# Altium PCB top.PcbDoc (part 1 of 5)
Units mil, origin at the board's own origin, x right, y up, seen from the top; angles counter-clockwise.
Board outline 12029.02 x 5828 mil, 2 copper layers (Top Layer, Bottom Layer); 703 components, 430 nets, 1840 pads, 2249 vias.
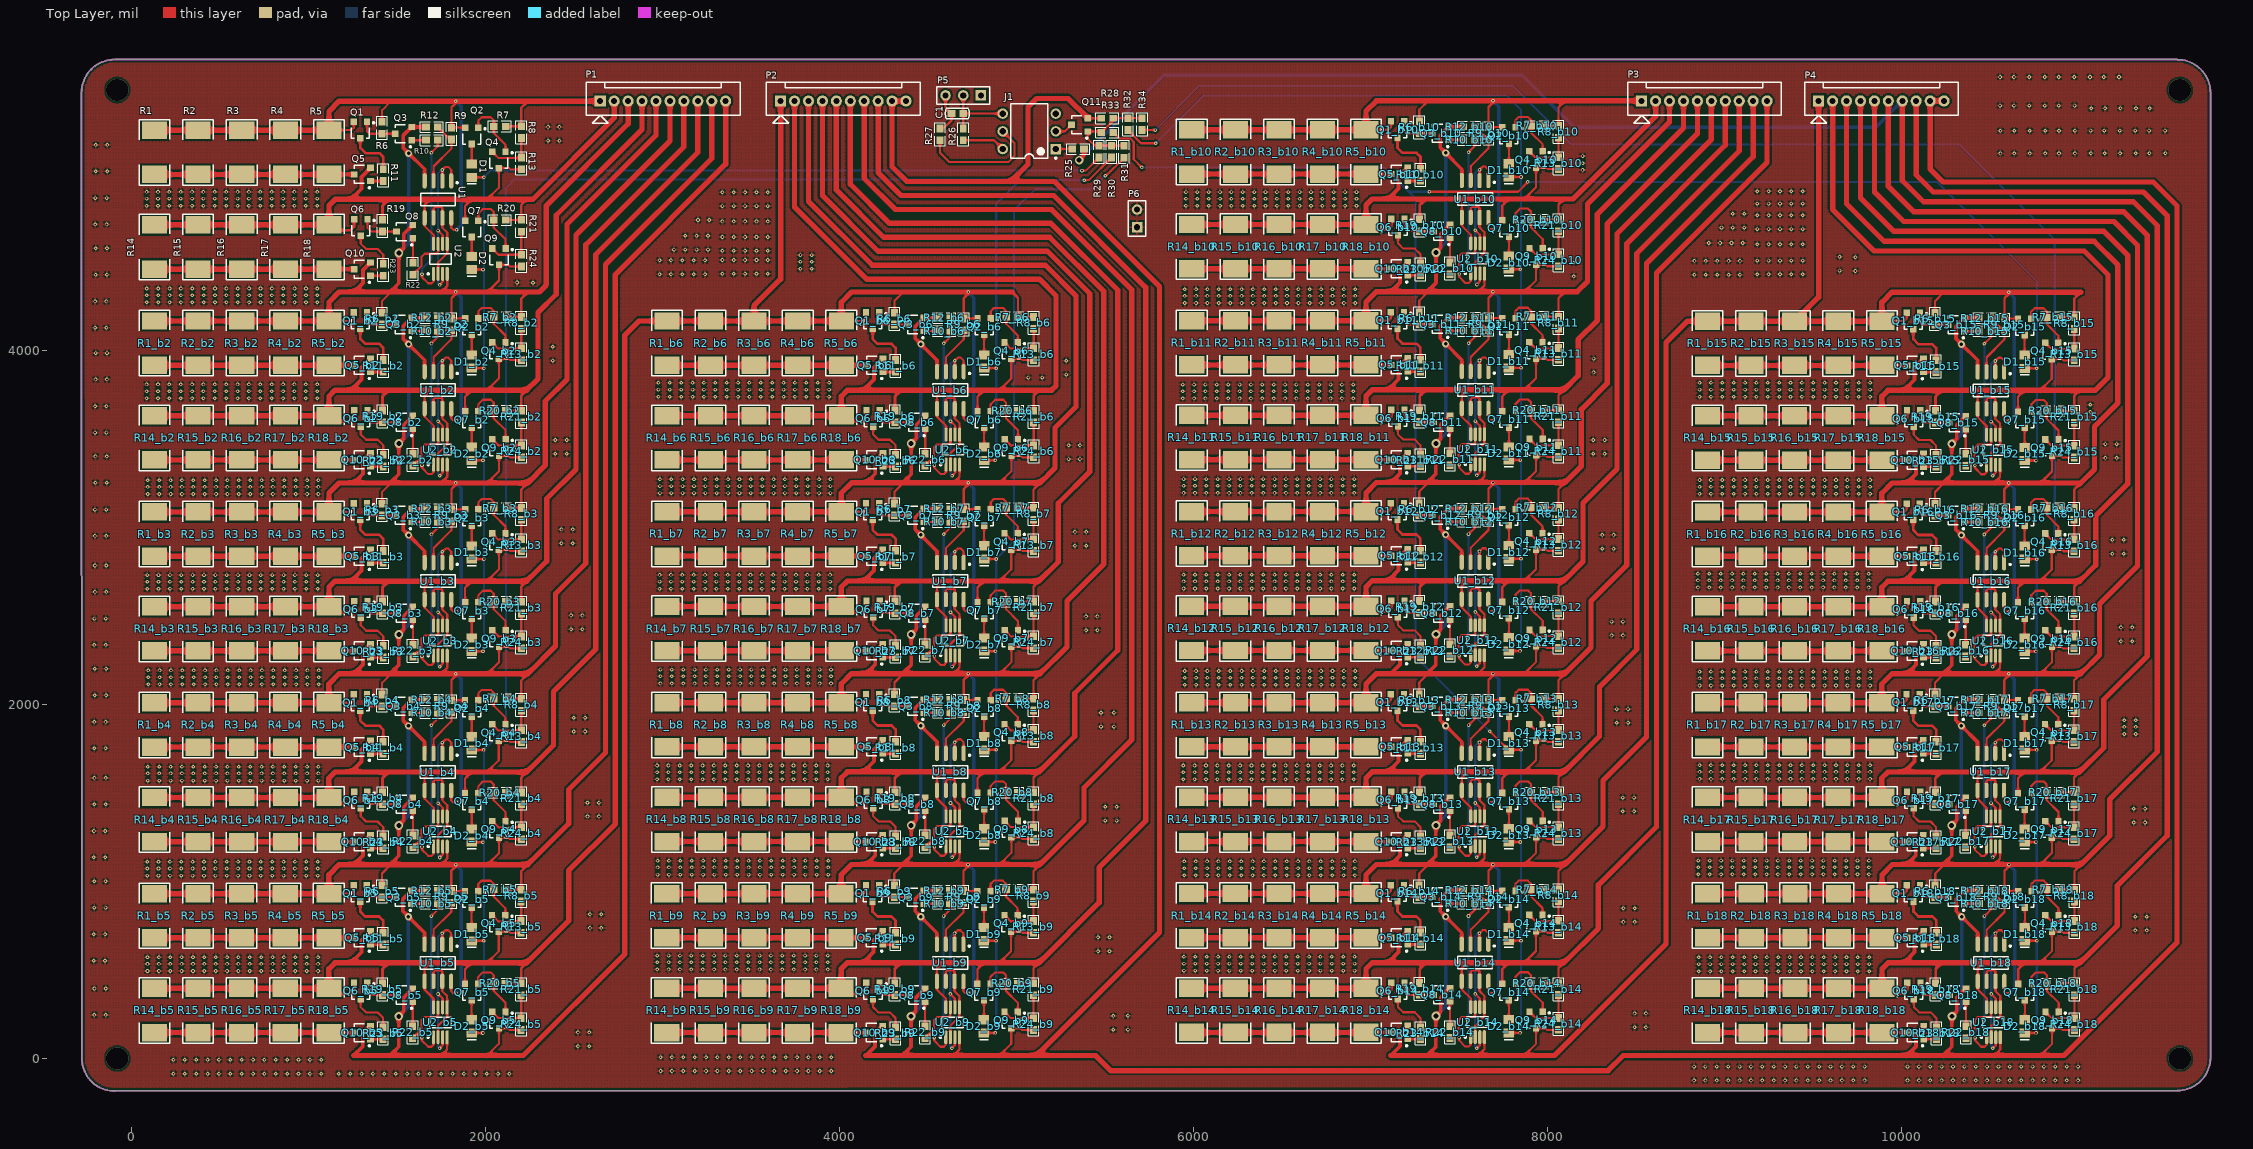
[diagram p0: Top Layer view]
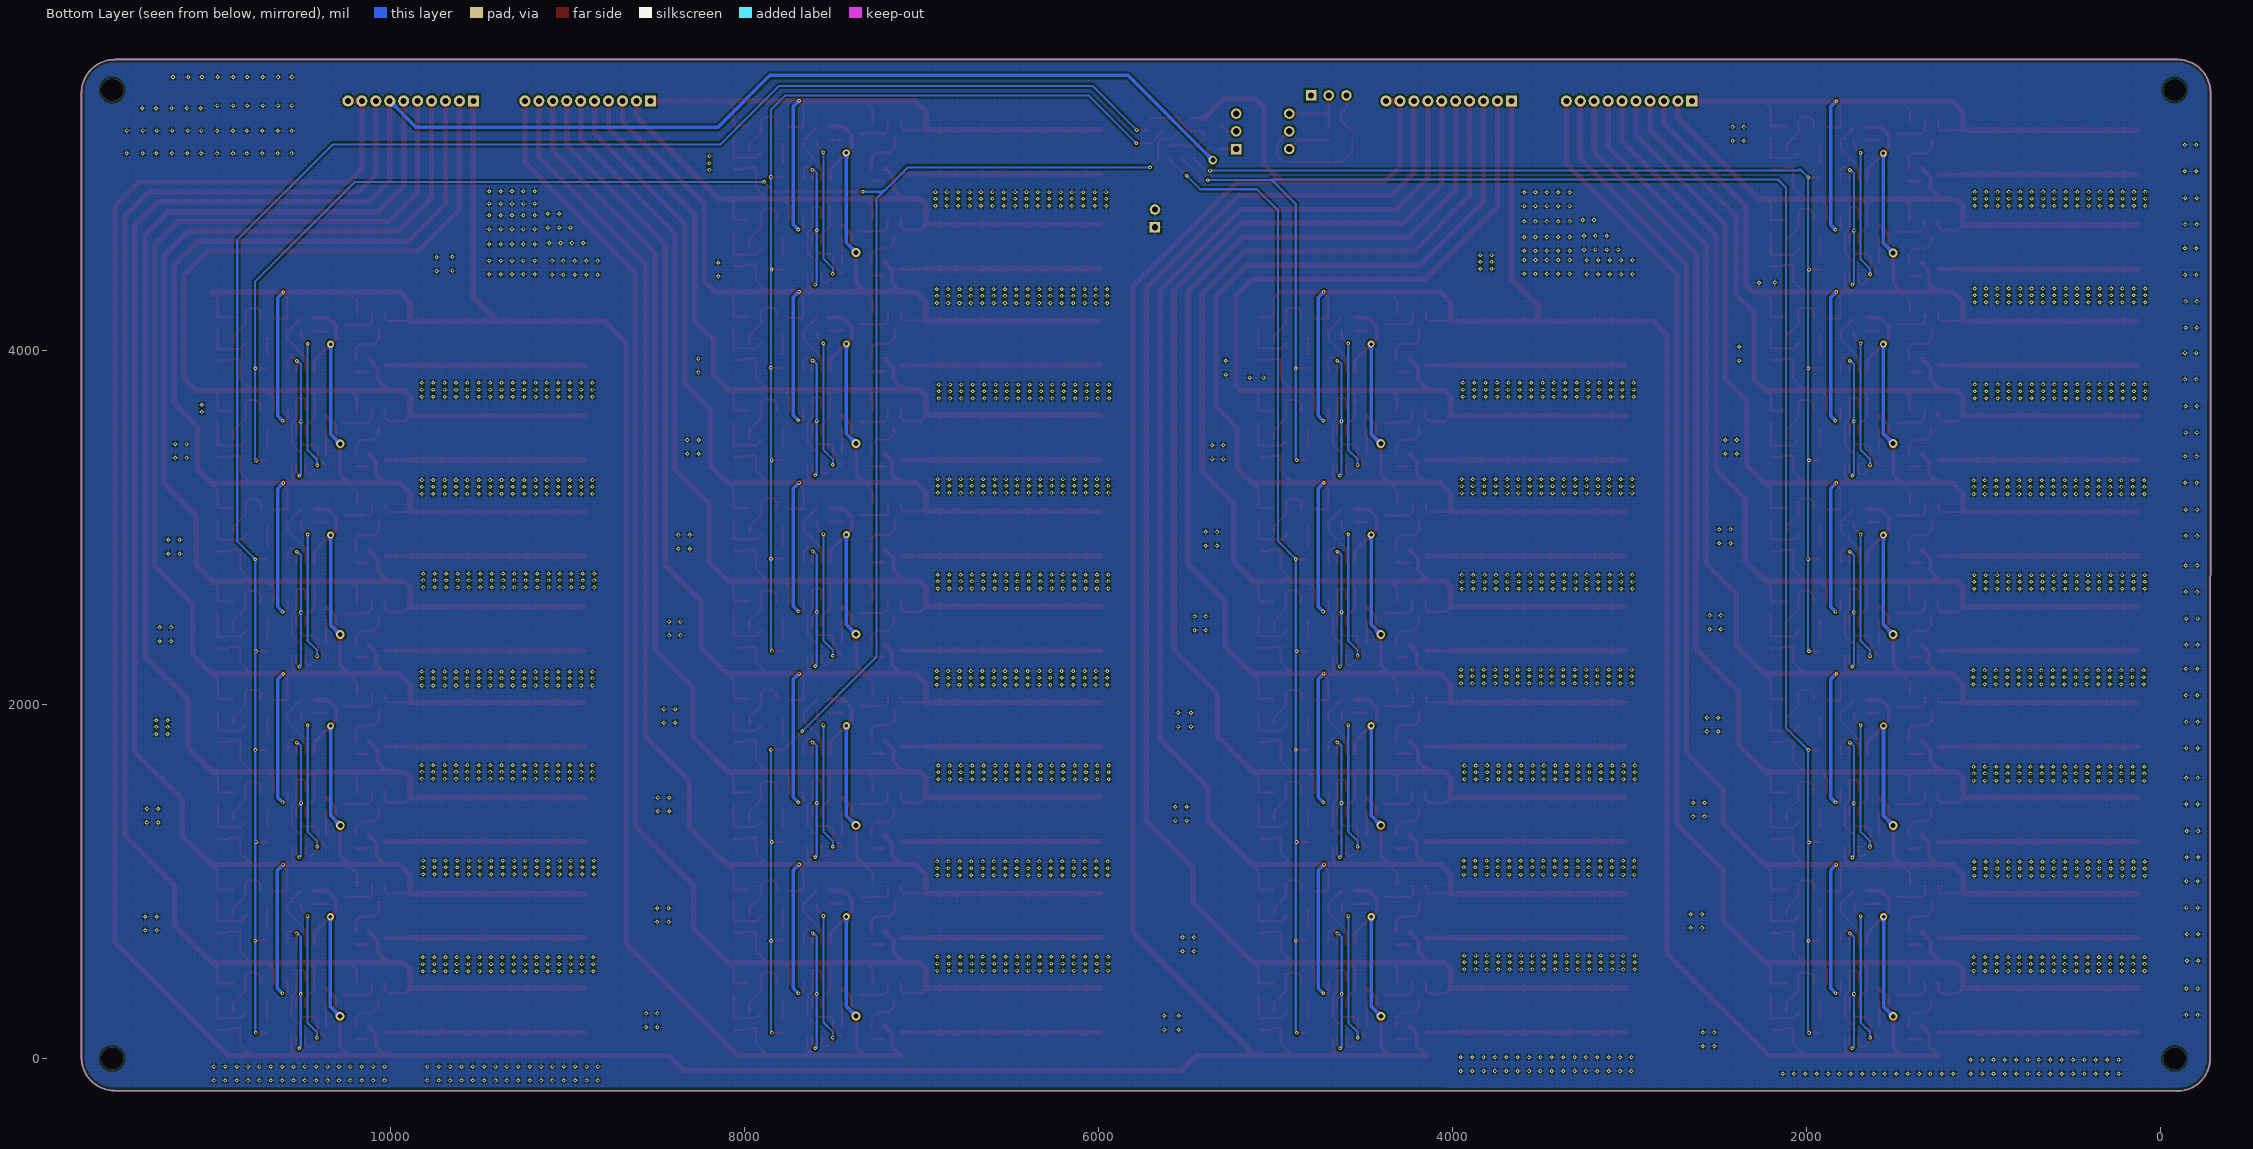
[diagram p1: Bottom Layer view, seen from below]

## Layer stack, top to bottom
Top Solder: solder mask 0.4, Solder Resist, Dk 3.5
Top Layer: signal copper 1.4
Dielectric 1: dielectric 12.6, FR-4, Dk 4.8
Bottom Layer: signal copper 1.4
Bottom Solder: solder mask 0.4, Solder Resist, Dk 3.5

## Board outline
-91,-183 cw(c-95.22,-0.15) -278.11,-2 -281,5458 cw(c-93,5456.99) -93.94,5644.99 -93,5645 11561.03,5645 11561.03,5644.74 cw(c11560.02,5456.75) 11748,5455 11748.02,5455 11748.02,5.95 cw(c11560.07,6.96) 11561,-180.99

## Design rules (kind name [scope] priority, off if disabled: settings)
Clearance [All] p1: gap=10
HoleSize [All] p1: absolutevalues=TRUE maxlimit=1000 minlimit=0 maxpercent=80.000 minpercent=20.000
MinimumSolderMaskSliver [All] p1: minsoldermaskwidth=0
PolygonConnect [All] p1: connectstyle=Relief reliefconductorwidth=10 reliefentries=4 polygonreliefangle="90 Angle" airgapwidth=10
RoomDefinition b2 [InComponentClass('b2')] p1: confinementstyle=ConfineIn formatcopy=TRUE lockcomponents=FALSE outline -138,3156 2439,3156 2439,4381 -138,4381
RoomDefinition b3 [InComponentClass('b3')] p2: confinementstyle=ConfineIn formatcopy=TRUE lockcomponents=FALSE outline -138,2077.07 2439,2077.07 2439,3302.07 -138,3302.07
RoomDefinition b4 [InComponentClass('b4')] p3: confinementstyle=ConfineIn formatcopy=TRUE lockcomponents=FALSE outline -138.13,998.73 2438.87,998.73 2438.87,2223.73 -138.13,2223.73
RoomDefinition b6 [InComponentClass('b6')] p4: confinementstyle=ConfineIn formatcopy=TRUE lockcomponents=FALSE outline 2757,3156 5334,3156 5334,4381 2757,4381
RoomDefinition b7 [InComponentClass('b7')] p5: confinementstyle=ConfineIn formatcopy=TRUE lockcomponents=FALSE outline 2756.87,2077.73 5333.87,2077.73 5333.87,3302.73 2756.87,3302.73
RoomDefinition b8 [InComponentClass('b8')] p6: confinementstyle=ConfineIn formatcopy=TRUE lockcomponents=FALSE outline 2756.87,999.73 5333.87,999.73 5333.87,2224.73 2756.87,2224.73
RoomDefinition b9 [InComponentClass('b9')] p7: confinementstyle=ConfineIn formatcopy=TRUE lockcomponents=FALSE outline 2755.87,39 5332.87,39 5332.87,1145.73 2755.87,1145.73
RoomDefinition b18 [InComponentClass('b18')] p8: confinementstyle=ConfineIn formatcopy=TRUE lockcomponents=FALSE outline 8636.87,-79.27 11213.87,-79.27 11213.87,1145.73 8636.87,1145.73
RoomDefinition b17 [InComponentClass('b17')] p9: confinementstyle=ConfineIn formatcopy=TRUE lockcomponents=FALSE outline 8635.67,999.13 11212.67,999.13 11212.67,2224.13 8635.67,2224.13
RoomDefinition b16 [InComponentClass('b16')] p10: confinementstyle=ConfineIn formatcopy=TRUE lockcomponents=FALSE outline 8635.87,2076.73 11212.87,2076.73 11212.87,3301.73 8635.87,3301.73
RoomDefinition b15 [InComponentClass('b15')] p11: confinementstyle=ConfineIn formatcopy=TRUE lockcomponents=FALSE outline 8636,3155 11213,3155 11213,4380 8636,4380
RoomDefinition b14 [InComponentClass('b14')] p12: confinementstyle=ConfineIn formatcopy=TRUE lockcomponents=FALSE outline 5721.6,-78.72 8298.6,-78.72 8298.6,1146.28 5721.6,1146.28
RoomDefinition b13 [InComponentClass('b13')] p13: confinementstyle=ConfineIn formatcopy=TRUE lockcomponents=FALSE outline 5721.87,999.73 8298.87,999.73 8298.87,2224.73 5721.87,2224.73
RoomDefinition b12 [InComponentClass('b12')] p14: confinementstyle=ConfineIn formatcopy=TRUE lockcomponents=FALSE outline 5721.6,2079.13 8298.6,2079.13 8298.6,3304.13 5721.6,3304.13
RoomDefinition b11 [InComponentClass('b11')] p15: confinementstyle=ConfineIn formatcopy=TRUE lockcomponents=FALSE outline 5721.87,3157.73 8298.87,3157.73 8298.87,4382.73 5721.87,4382.73
RoomDefinition b10 [InComponentClass('b10')] p16: confinementstyle=ConfineIn formatcopy=TRUE lockcomponents=FALSE outline 5869,4236 8299,4236 8299,5461 5869,5461
RoutingVias [All] p1: holewidth=10 width=20 viastyle="Through Hole" minholewidth=1 minwidth=1 maxholewidth=100 maxwidth=100
SilkToSilkClearance [All] p1: silktosilkclearance=1
SilkToSolderMaskClearance [IsPad] p1: minsilkscreentomaskgap=1 clearancetoexposedcopper=TRUE
SolderMaskExpansion [All] p1: expansion=0
Width [All] p1: maxlimit=100 minlimit=1 preferedwidth=12 minimp=50.000000 maximp=50.000000 favimp=50.000000
26 further rules are at their usual default settings.

## Classes and differential pairs
net class IN_C[1..17]: IN_C17
net class IN_B[1..17]: IN_B0 IN_B1 IN_B2 IN_B3 IN_B4 IN_B5 IN_B6 IN_B7 IN_B8 IN_B9 IN_B10 IN_B11 IN_B12 IN_B13 IN_B14 IN_B15 IN_B16 IN_B17
component class b2: D1_b1 D1_b2 D2_b1 D2_b2 Q1_b1 Q1_b2 Q2_b1 Q2_b2 Q3_b1 Q3_b2 Q4_b1 Q4_b2 Q5_b1 Q5_b2 Q6_b1 Q6_b2 Q7_b1 Q7_b2 Q8_b1 Q8_b2 Q9_b1 Q9_b2 Q10_b1 Q10_b2 R1_b1 R1_b2 R2_b1 R2_b2 R3_b1 R3_b2 R4_b1 R4_b2 R5_b1 R5_b2 R6_b1 R6_b2 R7_b1 R7_b2 R8_b1 R8_b2 R9_b1 R9_b2 R10_b1 R10_b2 R11_b1 R11_b2 R12_b1 R12_b2 R13_b1 R13_b2 R14_b1 R14_b2 R15_b1 R15_b2 R16_b1 R16_b2 R17_b1 R17_b2 R18_b1 R18_b2 R19_b1 R19_b2 R20_b1 R20_b2 R21_b1 R21_b2 R22_b1 R22_b2 R23_b1 R23_b2 R24_b1 R24_b2 U1_b1 U1_b2 U2_b1 U2_b2
net class IN_A[1..17]: IN_A0 IN_A1 IN_A2 IN_A3 IN_A4 IN_A5 IN_A6 IN_A7 IN_A8 IN_A9 IN_A10 IN_A11 IN_A12 IN_A13 IN_A14 IN_A15 IN_A16 IN_A17
net class OUT[1..17]: OUT2 OUT5 OUT8 OUT11 OUT14 OUT17
channel class balance: b1 b2
component class balance: D1 D2 Q1 Q2 Q3 Q4 Q5 Q6 Q7 Q8 Q9 Q10 R1 R2 R3 R4 R5 R6 R7 R8 R9 R10 R11 R12 R13 R14 R15 R16 R17 R18 R19 R20 R21 R22 R23 R24 U1 U2
component class b3: D1_b3 D2_b3 Q1_b3 Q2_b3 Q3_b3 Q4_b3 Q5_b3 Q6_b3 Q7_b3 Q8_b3 Q9_b3 Q10_b3 R1_b3 R2_b3 R3_b3 R4_b3 R5_b3 R6_b3 R7_b3 R8_b3 R9_b3 R10_b3 R11_b3 R12_b3 R13_b3 R14_b3 R15_b3 R16_b3 R17_b3 R18_b3 R19_b3 R20_b3 R21_b3 R22_b3 R23_b3 R24_b3 U1_b3 U2_b3
component class top: C1 J1 P1 P2 P3 P4 P5 P6 Q11 R25 R26 R27 R28 R29 R30 R31 R32 R33 R34
component class b4: D1_b4 D2_b4 Q1_b4 Q2_b4 Q3_b4 Q4_b4 Q5_b4 Q6_b4 Q7_b4 Q8_b4 Q9_b4 Q10_b4 R1_b4 R2_b4 R3_b4 R4_b4 R5_b4 R6_b4 R7_b4 R8_b4 R9_b4 R10_b4 R11_b4 R12_b4 R13_b4 R14_b4 R15_b4 R16_b4 R17_b4 R18_b4 R19_b4 R20_b4 R21_b4 R22_b4 R23_b4 R24_b4 U1_b4 U2_b4
component class b5: D1_b5 D2_b5 Q1_b5 Q2_b5 Q3_b5 Q4_b5 Q5_b5 Q6_b5 Q7_b5 Q8_b5 Q9_b5 Q10_b5 R1_b5 R2_b5 R3_b5 R4_b5 R5_b5 R6_b5 R7_b5 R8_b5 R9_b5 R10_b5 R11_b5 R12_b5 R13_b5 R14_b5 R15_b5 R16_b5 R17_b5 R18_b5 R19_b5 R20_b5 R21_b5 R22_b5 R23_b5 R24_b5 U1_b5 U2_b5
component class b6: D1_b6 D2_b6 Q1_b6 Q2_b6 Q3_b6 Q4_b6 Q5_b6 Q6_b6 Q7_b6 Q8_b6 Q9_b6 Q10_b6 R1_b6 R2_b6 R3_b6 R4_b6 R5_b6 R6_b6 R7_b6 R8_b6 R9_b6 R10_b6 R11_b6 R12_b6 R13_b6 R14_b6 R15_b6 R16_b6 R17_b6 R18_b6 R19_b6 R20_b6 R21_b6 R22_b6 R23_b6 R24_b6 U1_b6 U2_b6
component class b7: D1_b7 D2_b7 Q1_b7 Q2_b7 Q3_b7 Q4_b7 Q5_b7 Q6_b7 Q7_b7 Q8_b7 Q9_b7 Q10_b7 R1_b7 R2_b7 R3_b7 R4_b7 R5_b7 R6_b7 R7_b7 R8_b7 R9_b7 R10_b7 R11_b7 R12_b7 R13_b7 R14_b7 R15_b7 R16_b7 R17_b7 R18_b7 R19_b7 R20_b7 R21_b7 R22_b7 R23_b7 R24_b7 U1_b7 U2_b7
component class b8: D1_b8 D2_b8 Q1_b8 Q2_b8 Q3_b8 Q4_b8 Q5_b8 Q6_b8 Q7_b8 Q8_b8 Q9_b8 Q10_b8 R1_b8 R2_b8 R3_b8 R4_b8 R5_b8 R6_b8 R7_b8 R8_b8 R9_b8 R10_b8 R11_b8 R12_b8 R13_b8 R14_b8 R15_b8 R16_b8 R17_b8 R18_b8 R19_b8 R20_b8 R21_b8 R22_b8 R23_b8 R24_b8 U1_b8 U2_b8
component class b9: D1_b9 D2_b9 Q1_b9 Q2_b9 Q3_b9 Q4_b9 Q5_b9 Q6_b9 Q7_b9 Q8_b9 Q9_b9 Q10_b9 R1_b9 R2_b9 R3_b9 R4_b9 R5_b9 R6_b9 R7_b9 R8_b9 R9_b9 R10_b9 R11_b9 R12_b9 R13_b9 R14_b9 R15_b9 R16_b9 R17_b9 R18_b9 R19_b9 R20_b9 R21_b9 R22_b9 R23_b9 R24_b9 U1_b9 U2_b9
component class b10: D1_b10 D2_b10 Q1_b10 Q2_b10 Q3_b10 Q4_b10 Q5_b10 Q6_b10 Q7_b10 Q8_b10 Q9_b10 Q10_b10 R1_b10 R2_b10 R3_b10 R4_b10 R5_b10 R6_b10 R7_b10 R8_b10 R9_b10 R10_b10 R11_b10 R12_b10 R13_b10 R14_b10 R15_b10 R16_b10 R17_b10 R18_b10 R19_b10 R20_b10 R21_b10 R22_b10 R23_b10 R24_b10 U1_b10 U2_b10
component class b11: D1_b11 D2_b11 Q1_b11 Q2_b11 Q3_b11 Q4_b11 Q5_b11 Q6_b11 Q7_b11 Q8_b11 Q9_b11 Q10_b11 R1_b11 R2_b11 R3_b11 R4_b11 R5_b11 R6_b11 R7_b11 R8_b11 R9_b11 R10_b11 R11_b11 R12_b11 R13_b11 R14_b11 R15_b11 R16_b11 R17_b11 R18_b11 R19_b11 R20_b11 R21_b11 R22_b11 R23_b11 R24_b11 U1_b11 U2_b11
component class b12: D1_b12 D2_b12 Q1_b12 Q2_b12 Q3_b12 Q4_b12 Q5_b12 Q6_b12 Q7_b12 Q8_b12 Q9_b12 Q10_b12 R1_b12 R2_b12 R3_b12 R4_b12 R5_b12 R6_b12 R7_b12 R8_b12 R9_b12 R10_b12 R11_b12 R12_b12 R13_b12 R14_b12 R15_b12 R16_b12 R17_b12 R18_b12 R19_b12 R20_b12 R21_b12 R22_b12 R23_b12 R24_b12 U1_b12 U2_b12
component class b13: D1_b13 D2_b13 Q1_b13 Q2_b13 Q3_b13 Q4_b13 Q5_b13 Q6_b13 Q7_b13 Q8_b13 Q9_b13 Q10_b13 R1_b13 R2_b13 R3_b13 R4_b13 R5_b13 R6_b13 R7_b13 R8_b13 R9_b13 R10_b13 R11_b13 R12_b13 R13_b13 R14_b13 R15_b13 R16_b13 R17_b13 R18_b13 R19_b13 R20_b13 R21_b13 R22_b13 R23_b13 R24_b13 U1_b13 U2_b13
component class b14: D1_b14 D2_b14 Q1_b14 Q2_b14 Q3_b14 Q4_b14 Q5_b14 Q6_b14 Q7_b14 Q8_b14 Q9_b14 Q10_b14 R1_b14 R2_b14 R3_b14 R4_b14 R5_b14 R6_b14 R7_b14 R8_b14 R9_b14 R10_b14 R11_b14 R12_b14 R13_b14 R14_b14 R15_b14 R16_b14 R17_b14 R18_b14 R19_b14 R20_b14 R21_b14 R22_b14 R23_b14 R24_b14 U1_b14 U2_b14
component class b15: D1_b15 D2_b15 Q1_b15 Q2_b15 Q3_b15 Q4_b15 Q5_b15 Q6_b15 Q7_b15 Q8_b15 Q9_b15 Q10_b15 R1_b15 R2_b15 R3_b15 R4_b15 R5_b15 R6_b15 R7_b15 R8_b15 R9_b15 R10_b15 R11_b15 R12_b15 R13_b15 R14_b15 R15_b15 R16_b15 R17_b15 R18_b15 R19_b15 R20_b15 R21_b15 R22_b15 R23_b15 R24_b15 U1_b15 U2_b15
component class b16: D1_b16 D2_b16 Q1_b16 Q2_b16 Q3_b16 Q4_b16 Q5_b16 Q6_b16 Q7_b16 Q8_b16 Q9_b16 Q10_b16 R1_b16 R2_b16 R3_b16 R4_b16 R5_b16 R6_b16 R7_b16 R8_b16 R9_b16 R10_b16 R11_b16 R12_b16 R13_b16 R14_b16 R15_b16 R16_b16 R17_b16 R18_b16 R19_b16 R20_b16 R21_b16 R22_b16 R23_b16 R24_b16 U1_b16 U2_b16
component class b17: D1_b17 D2_b17 Q1_b17 Q2_b17 Q3_b17 Q4_b17 Q5_b17 Q6_b17 Q7_b17 Q8_b17 Q9_b17 Q10_b17 R1_b17 R2_b17 R3_b17 R4_b17 R5_b17 R6_b17 R7_b17 R8_b17 R9_b17 R10_b17 R11_b17 R12_b17 R13_b17 R14_b17 R15_b17 R16_b17 R17_b17 R18_b17 R19_b17 R20_b17 R21_b17 R22_b17 R23_b17 R24_b17 U1_b17 U2_b17
component class b18: D1_b18 D2_b18 Q1_b18 Q2_b18 Q3_b18 Q4_b18 Q5_b18 Q6_b18 Q7_b18 Q8_b18 Q9_b18 Q10_b18 R1_b18 R2_b18 R3_b18 R4_b18 R5_b18 R6_b18 R7_b18 R8_b18 R9_b18 R10_b18 R11_b18 R12_b18 R13_b18 R14_b18 R15_b18 R16_b18 R17_b18 R18_b18 R19_b18 R20_b18 R21_b18 R22_b18 R23_b18 R24_b18 U1_b18 U2_b18

## Components (designator, comment, footprint, x,y, rotation, side; value= is the part's Value field where it differs from the comment)
C1 "Cap-S" C-0603 4668,5339 r0 top
D1 "1N4001" LED-0805 1924,5016.54 r270 top
D1_b2 "1N4001" LED-0805 1924,3938.46 r270 top (schematic designator D1)
D1_b3 "1N4001" LED-0805 1924,2859.54 r270 top (schematic designator D1)
D1_b4 "1N4001" LED-0805 1923.87,1781.2 r270 top (schematic designator D1)
D1_b5 "1N4001" LED-0805 1923.46,703.07 r270 top (schematic designator D1)
D1_b6 "1N4001" LED-0805 4819,3938.46 r270 top (schematic designator D1)
D1_b7 "1N4001" LED-0805 4818.87,2860.2 r270 top (schematic designator D1)
D1_b8 "1N4001" LED-0805 4818.87,1782.2 r270 top (schematic designator D1)
D1_b9 "1N4001" LED-0805 4817.87,703.2 r270 top (schematic designator D1)
D1_b10 "1N4001" LED-0805 7784,5018.46 r270 top (schematic designator D1)
D1_b11 "1N4001" LED-0805 7783.87,3940.2 r270 top (schematic designator D1)
D1_b12 "1N4001" LED-0805 7783.6,2861.6 r270 top (schematic designator D1)
D1_b13 "1N4001" LED-0805 7783.87,1782.2 r270 top (schematic designator D1)
D1_b14 "1N4001" LED-0805 7783.6,703.74 r270 top (schematic designator D1)
D1_b15 "1N4001" LED-0805 10698,3937.46 r270 top (schematic designator D1)
D1_b16 "1N4001" LED-0805 10697.87,2859.2 r270 top (schematic designator D1)
D1_b17 "1N4001" LED-0805 10697.67,1781.6 r270 top (schematic designator D1)
D1_b18 "1N4001" LED-0805 10698.87,703.2 r270 top (schematic designator D1)
D2 "1N4001" LED-0805 1924,4495.54 r270 top
D2_b2 "1N4001" LED-0805 1924,3417.46 r270 top (schematic designator D2)
D2_b3 "1N4001" LED-0805 1924,2338.54 r270 top (schematic designator D2)
D2_b4 "1N4001" LED-0805 1923.87,1260.2 r270 top (schematic designator D2)
D2_b5 "1N4001" LED-0805 1923.46,182.07 r270 top (schematic designator D2)
D2_b6 "1N4001" LED-0805 4819,3417.46 r270 top (schematic designator D2)
D2_b7 "1N4001" LED-0805 4818.87,2339.2 r270 top (schematic designator D2)
D2_b8 "1N4001" LED-0805 4818.87,1261.2 r270 top (schematic designator D2)
D2_b9 "1N4001" LED-0805 4817.87,182.2 r270 top (schematic designator D2)
D2_b10 "1N4001" LED-0805 7784,4497.46 r270 top (schematic designator D2)
D2_b11 "1N4001" LED-0805 7783.87,3419.2 r270 top (schematic designator D2)
D2_b12 "1N4001" LED-0805 7783.6,2340.6 r270 top (schematic designator D2)
D2_b13 "1N4001" LED-0805 7783.87,1261.2 r270 top (schematic designator D2)
D2_b14 "1N4001" LED-0805 7783.6,182.74 r270 top (schematic designator D2)
D2_b15 "1N4001" LED-0805 10698,3416.46 r270 top (schematic designator D2)
D2_b16 "1N4001" LED-0805 10697.87,2338.2 r270 top (schematic designator D2)
D2_b17 "1N4001" LED-0805 10697.67,1260.6 r270 top (schematic designator D2)
D2_b18 "1N4001" LED-0805 10698.87,182.2 r270 top (schematic designator D2)
J1 "G3VM-61" DIP-6 5074,5239 r180 top
P1 "Header 10" PH2.0-10P 2650,5410 r0 top
P2 "Header 10" PH2.0-10P 3669,5410 r0 top
P3 "Header 10" PH2.0-10P 8534,5411 r0 top
P4 "Header 10" PH2.0-10P 9534,5411 r0 top
P5 "Header 3" HDR3X1-2.54 4801,5442 r180 top
P6 "Header 2" HDR2X1-2.54 5683,4697 r90 top
Q1 "PNP" SOT23-3 1294.54,5247 r180 top
Q1_b2 "PNP" SOT23-3 1294.54,4168.93 r180 top (schematic designator Q1)
Q1_b3 "PNP" SOT23-3 1294.54,3090 r180 top (schematic designator Q1)
Q1_b4 "PNP" SOT23-3 1294.41,2011.66 r180 top (schematic designator Q1)
Q1_b5 "PNP" SOT23-3 1294,933.54 r180 top (schematic designator Q1)
Q1_b6 "PNP" SOT23-3 4189.54,4168.93 r180 top (schematic designator Q1)
Q1_b7 "PNP" SOT23-3 4189.41,3090.66 r180 top (schematic designator Q1)
Q1_b8 "PNP" SOT23-3 4189.41,2012.66 r180 top (schematic designator Q1)
Q1_b9 "PNP" SOT23-3 4188.41,933.66 r180 top (schematic designator Q1)
Q1_b10 "PNP" SOT23-3 7154.54,5248.93 r180 top (schematic designator Q1)
Q1_b11 "PNP" SOT23-3 7154.41,4170.66 r180 top (schematic designator Q1)
Q1_b12 "PNP" SOT23-3 7154.13,3092.06 r180 top (schematic designator Q1)
Q1_b13 "PNP" SOT23-3 7154.41,2012.66 r180 top (schematic designator Q1)
Q1_b14 "PNP" SOT23-3 7154.13,934.2 r180 top (schematic designator Q1)
Q1_b15 "PNP" SOT23-3 10068.54,4167.93 r180 top (schematic designator Q1)
Q1_b16 "PNP" SOT23-3 10068.41,3089.66 r180 top (schematic designator Q1)
Q1_b17 "PNP" SOT23-3 10068.2,2012.06 r180 top (schematic designator Q1)
Q1_b18 "PNP" SOT23-3 10069.41,933.66 r180 top (schematic designator Q1)
Q2 "PNP" SOT23-3 1924,5213.54 r180 top
Q2_b2 "PNP" SOT23-3 1924,4135.46 r180 top (schematic designator Q2)
Q2_b3 "PNP" SOT23-3 1924,3056.54 r180 top (schematic designator Q2)
Q2_b4 "PNP" SOT23-3 1923.87,1978.2 r180 top (schematic designator Q2)
Q2_b5 "PNP" SOT23-3 1923.46,900.07 r180 top (schematic designator Q2)
Q2_b6 "PNP" SOT23-3 4819,4135.46 r180 top (schematic designator Q2)
Q2_b7 "PNP" SOT23-3 4818.87,3057.2 r180 top (schematic designator Q2)
Q2_b8 "PNP" SOT23-3 4818.87,1979.2 r180 top (schematic designator Q2)
Q2_b9 "PNP" SOT23-3 4817.87,900.2 r180 top (schematic designator Q2)
Q2_b10 "PNP" SOT23-3 7784,5215.46 r180 top (schematic designator Q2)
Q2_b11 "PNP" SOT23-3 7783.87,4137.2 r180 top (schematic designator Q2)
Q2_b12 "PNP" SOT23-3 7783.6,3058.6 r180 top (schematic designator Q2)
Q2_b13 "PNP" SOT23-3 7783.87,1979.2 r180 top (schematic designator Q2)
Q2_b14 "PNP" SOT23-3 7783.6,900.74 r180 top (schematic designator Q2)
Q2_b15 "PNP" SOT23-3 10698,4134.46 r180 top (schematic designator Q2)
Q2_b16 "PNP" SOT23-3 10697.87,3056.2 r180 top (schematic designator Q2)
Q2_b17 "PNP" SOT23-3 10697.67,1978.6 r180 top (schematic designator Q2)
Q2_b18 "PNP" SOT23-3 10698.87,900.2 r180 top (schematic designator Q2)
Q3 "NPN" SOT23-3 1537.87,5225.94 r90 top
Q3_b2 "NPN" SOT23-3 1537.87,4147.87 r90 top (schematic designator Q3)
Q3_b3 "NPN" SOT23-3 1537.87,3068.94 r90 top (schematic designator Q3)
Q3_b4 "NPN" SOT23-3 1537.74,1990.6 r90 top (schematic designator Q3)
Q3_b5 "NPN" SOT23-3 1537.33,912.47 r90 top (schematic designator Q3)
Q3_b6 "NPN" SOT23-3 4432.87,4147.87 r90 top (schematic designator Q3)
Q3_b7 "NPN" SOT23-3 4432.74,3069.6 r90 top (schematic designator Q3)
Q3_b8 "NPN" SOT23-3 4432.74,1991.6 r90 top (schematic designator Q3)
Q3_b9 "NPN" SOT23-3 4431.74,912.6 r90 top (schematic designator Q3)
Q3_b10 "NPN" SOT23-3 7397.87,5227.87 r90 top (schematic designator Q3)
Q3_b11 "NPN" SOT23-3 7397.74,4149.6 r90 top (schematic designator Q3)
Q3_b12 "NPN" SOT23-3 7397.46,3071 r90 top (schematic designator Q3)
Q3_b13 "NPN" SOT23-3 7397.74,1991.6 r90 top (schematic designator Q3)
Q3_b14 "NPN" SOT23-3 7397.46,913.14 r90 top (schematic designator Q3)
Q3_b15 "NPN" SOT23-3 10311.87,4146.87 r90 top (schematic designator Q3)
Q3_b16 "NPN" SOT23-3 10311.74,3068.6 r90 top (schematic designator Q3)
Q3_b17 "NPN" SOT23-3 10311.54,1991 r90 top (schematic designator Q3)
Q3_b18 "NPN" SOT23-3 10312.74,912.6 r90 top (schematic designator Q3)
Q4 "NPN" SOT23-3 2077,5077.54 r180 top
Q4_b2 "NPN" SOT23-3 2077,3999.46 r180 top (schematic designator Q4)
Q4_b3 "NPN" SOT23-3 2077,2920.54 r180 top (schematic designator Q4)
Q4_b4 "NPN" SOT23-3 2076.87,1842.2 r180 top (schematic designator Q4)
Q4_b5 "NPN" SOT23-3 2076.46,764.07 r180 top (schematic designator Q4)
Q4_b6 "NPN" SOT23-3 4972,3999.46 r180 top (schematic designator Q4)
Q4_b7 "NPN" SOT23-3 4971.87,2921.2 r180 top (schematic designator Q4)
Q4_b8 "NPN" SOT23-3 4971.87,1843.2 r180 top (schematic designator Q4)
Q4_b9 "NPN" SOT23-3 4970.87,764.2 r180 top (schematic designator Q4)
Q4_b10 "NPN" SOT23-3 7937,5079.46 r180 top (schematic designator Q4)
Q4_b11 "NPN" SOT23-3 7936.87,4001.2 r180 top (schematic designator Q4)
Q4_b12 "NPN" SOT23-3 7936.6,2922.6 r180 top (schematic designator Q4)
Q4_b13 "NPN" SOT23-3 7936.87,1843.2 r180 top (schematic designator Q4)
Q4_b14 "NPN" SOT23-3 7936.6,764.74 r180 top (schematic designator Q4)
Q4_b15 "NPN" SOT23-3 10851,3998.46 r180 top (schematic designator Q4)
Q4_b16 "NPN" SOT23-3 10850.87,2920.2 r180 top (schematic designator Q4)
Q4_b17 "NPN" SOT23-3 10850.67,1842.6 r180 top (schematic designator Q4)
Q4_b18 "NPN" SOT23-3 10851.87,764.2 r180 top (schematic designator Q4)
Q5 "MOSFET-N" SOT23-3 1306,4995.54 r90 top
Q5_b2 "MOSFET-N" SOT23-3 1306,3917.46 r90 top (schematic designator Q5)
Q5_b3 "MOSFET-N" SOT23-3 1306,2838.54 r90 top (schematic designator Q5)
Q5_b4 "MOSFET-N" SOT23-3 1305.87,1760.2 r90 top (schematic designator Q5)
Q5_b5 "MOSFET-N" SOT23-3 1305.46,682.07 r90 top (schematic designator Q5)
Q5_b6 "MOSFET-N" SOT23-3 4201,3917.46 r90 top (schematic designator Q5)
Q5_b7 "MOSFET-N" SOT23-3 4200.87,2839.2 r90 top (schematic designator Q5)
Q5_b8 "MOSFET-N" SOT23-3 4200.87,1761.2 r90 top (schematic designator Q5)
Q5_b9 "MOSFET-N" SOT23-3 4199.87,682.2 r90 top (schematic designator Q5)
Q5_b10 "MOSFET-N" SOT23-3 7166,4997.46 r90 top (schematic designator Q5)
Q5_b11 "MOSFET-N" SOT23-3 7165.87,3919.2 r90 top (schematic designator Q5)
Q5_b12 "MOSFET-N" SOT23-3 7165.6,2840.6 r90 top (schematic designator Q5)